# KiCad board video.kicad_pcb
title: KiCad demo; date: 2015-10-14; rev: 1.A
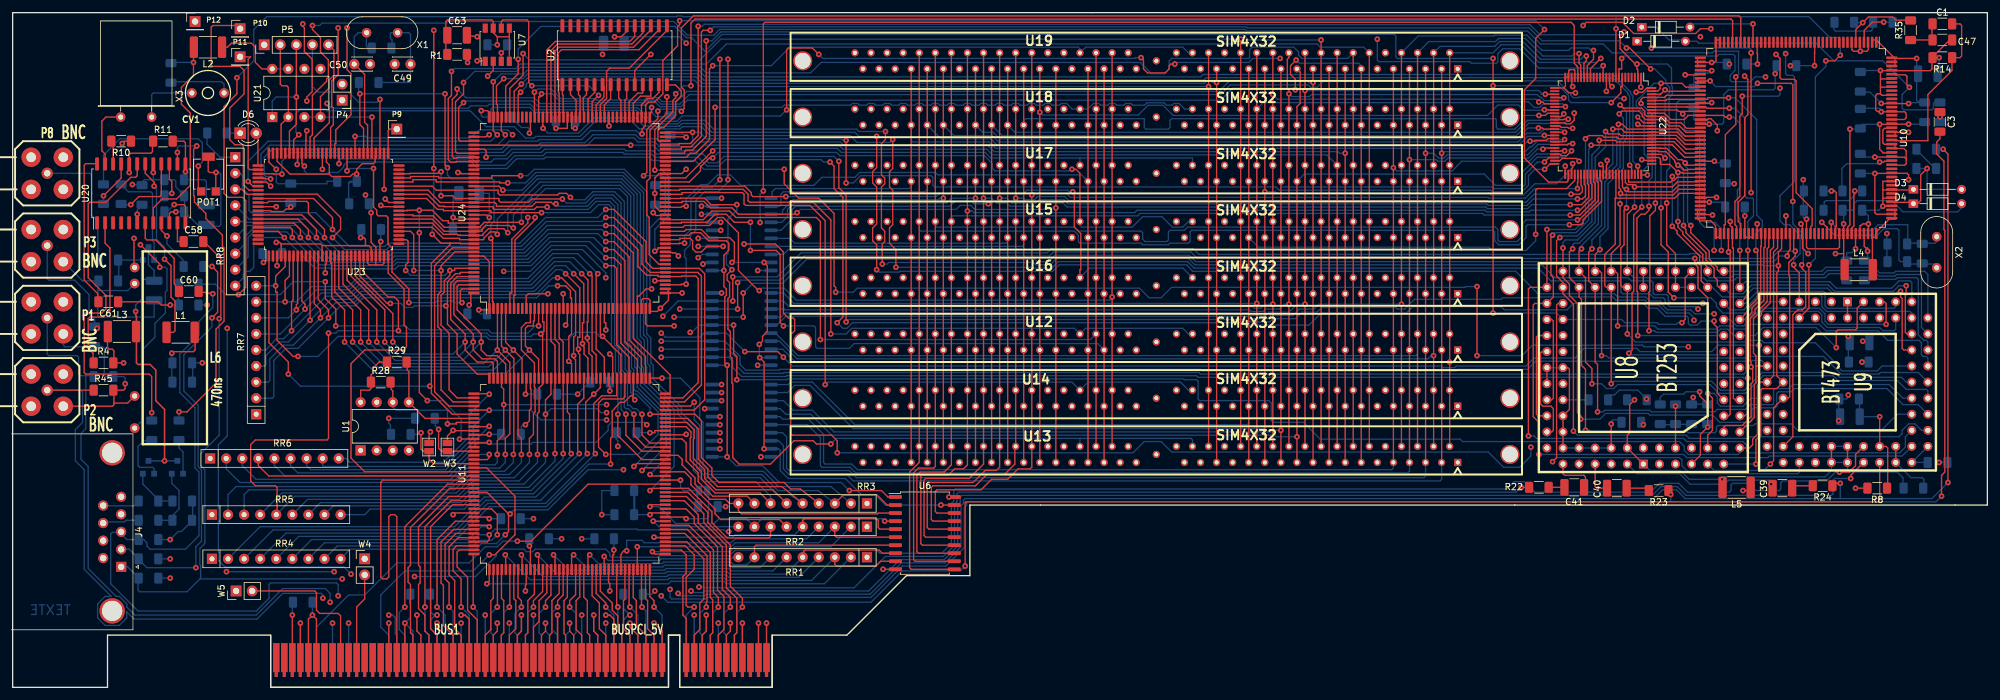
[diagram p0: board, top side]
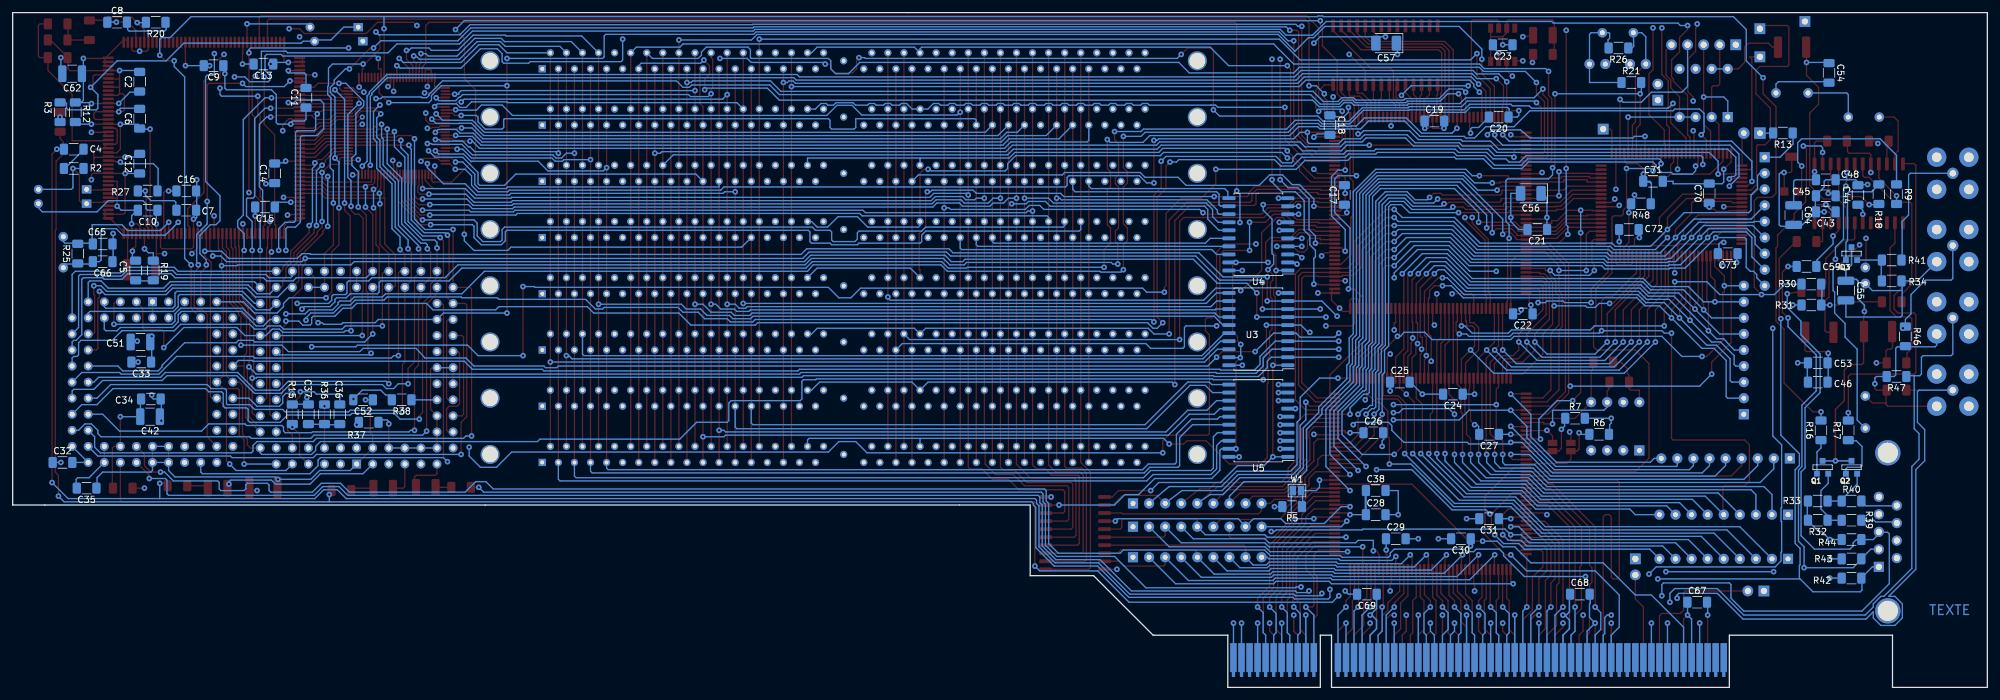
[diagram p1: board, bottom side, seen from below]

Outline 312.04 x 106.68 mm; copper layers: top_copper, GND_layer, VCC_layer, bottom_copper. Coordinates in mm from the lower left corner of the outline.
Outline path: 0,106.68 312.04,106.68 312.04,28.83 151.26,28.83 151.26,17.65 141.22,17.65 131.83,8.25 120.02,8.25 120.02,0 105.41,0 105.41,8.25 103.63,8.25 103.63,0 40.77,0 40.77,8.25 14.99,8.25 14.99,0 0,0 0,106.68
Stack: top_copper 0.035mm / dielectric 0.4801mm FR4 er 4.5 / GND_layer 0.035mm / dielectric 0.4801mm FR4 er 4.5 / VCC_layer 0.035mm / dielectric 0.4801mm FR4 er 4.5 / bottom_copper 0.035mm

## Placement (name value [footprint] x y rotation side)
BUS1  BUSPCI_5V  [BUSPCI]  104.52 4.44 0 top
C1  100nF  [R_1206_3216Metric_Pad1.30x1.75mm_HandSolder]  304.93 104.9 0 top
C2  100nF  [R_1206_3216Metric_Pad1.30x1.75mm_HandSolder]  291.97 95.76 90 bottom
C3  100nF  [R_1206_3216Metric_Pad1.30x1.75mm_HandSolder]  304.55 89.41 270 top
C4  100nF  [R_1206_3216Metric_Pad1.30x1.75mm_HandSolder]  302.39 85.09 0 bottom
C5  100nF  [R_1206_3216Metric_Pad1.30x1.75mm_HandSolder]  292.61 65.91 270 bottom
C6  100nF  [R_1206_3216Metric_Pad1.30x1.75mm_HandSolder]  291.97 89.92 90 bottom
C7  100nF  [R_1206_3216Metric_Pad1.30x1.75mm_HandSolder]  284.61 75.44 180 bottom
C8  100nF  [R_1206_3216Metric_Pad1.30x1.75mm_HandSolder]  295.53 105.16 180 bottom
C9  100nF  [R_1206_3216Metric_Pad1.30x1.75mm_HandSolder]  280.29 98.3 0 bottom
C10  100nF  [R_1206_3216Metric_Pad1.30x1.75mm_HandSolder]  290.7 75.44 0 bottom
C11  100nF  [R_1206_3216Metric_Pad1.30x1.75mm_HandSolder]  265.68 93.22 90 bottom
C12  100nF  [R_1206_3216Metric_Pad1.30x1.75mm_HandSolder]  291.97 82.8 90 bottom
C13  100nF  [R_1206_3216Metric_Pad1.30x1.75mm_HandSolder]  272.42 98.55 0 bottom
C14  100nF  [R_1206_3216Metric_Pad1.30x1.75mm_HandSolder]  270.64 81.28 90 bottom
C15  100nF  [R_1206_3216Metric_Pad1.30x1.75mm_HandSolder]  272.16 75.95 0 bottom
C16  100nF  [R_1206_3216Metric_Pad1.30x1.75mm_HandSolder]  284.61 78.49 180 bottom
C17  100nF  [R_1206_3216Metric_Pad1.30x1.75mm_HandSolder]  101.6 77.85 90 bottom
C18  100nF  [R_1206_3216Metric_Pad1.30x1.75mm_HandSolder]  103.89 88.9 270 bottom
C19  100nF  [R_1206_3216Metric_Pad1.30x1.75mm_HandSolder]  87.38 89.53 180 bottom
C20  100nF  [R_1206_3216Metric_Pad1.30x1.75mm_HandSolder]  77.22 90.17 0 bottom
C21  100nF  [R_1206_3216Metric_Pad1.30x1.75mm_HandSolder]  71.12 72.39 0 bottom
C22  100nF  [R_1206_3216Metric_Pad1.30x1.75mm_HandSolder]  73.41 59.05 0 bottom
C23  100nF  [R_1206_3216Metric_Pad1.30x1.75mm_HandSolder]  76.58 101.6 0 bottom
C24  100nF  [R_1206_3216Metric_Pad1.30x1.75mm_HandSolder]  84.46 46.35 0 bottom
C25  100nF  [R_1206_3216Metric_Pad1.30x1.75mm_HandSolder]  92.84 48.26 180 bottom
C26  100nF  [R_1206_3216Metric_Pad1.30x1.75mm_HandSolder]  97.03 40.26 180 bottom
C27  100nF  [R_1206_3216Metric_Pad1.30x1.75mm_HandSolder]  78.74 40 0 bottom
C28  100nF  [R_1206_3216Metric_Pad1.30x1.75mm_HandSolder]  96.65 27.31 180 bottom
C29  100nF  [R_1206_3216Metric_Pad1.30x1.75mm_HandSolder]  93.47 23.5 180 bottom
C30  100nF  [R_1206_3216Metric_Pad1.30x1.75mm_HandSolder]  83.19 23.5 0 bottom
C31  100nF  [R_1206_3216Metric_Pad1.30x1.75mm_HandSolder]  78.74 26.67 0 bottom
C32  100nF  [R_1206_3216Metric_Pad1.30x1.75mm_HandSolder]  304.17 35.56 180 bottom
C33  100nF  [R_1206_3216Metric_Pad1.30x1.75mm_HandSolder]  291.72 51.43 0 bottom
C34  100nF  [R_1206_3216Metric_Pad1.30x1.75mm_HandSolder]  290.19 45.59 0 bottom
C35  100nF  [R_1206_3216Metric_Pad1.30x1.75mm_HandSolder]  300.36 31.5 0 bottom
C36  100nF  [R_1206_3216Metric_Pad1.30x1.75mm_HandSolder]  260.35 43.18 270 bottom
C37  100pF  [R_1206_3216Metric_Pad1.30x1.75mm_HandSolder]  265.31 43.18 270 bottom
C38  4,7uF  [R_1206_3216Metric_Pad1.30x1.75mm_HandSolder]  96.65 31.11 180 bottom
C39  1uF  [R_1210_3225Metric_Pad1.30x2.65mm_HandSolder]  279.65 31.5 0 top
C40  1uF  [R_1210_3225Metric_Pad1.30x2.65mm_HandSolder]  253.49 31.5 0 top
C41  1uF  [R_1210_3225Metric_Pad1.30x2.65mm_HandSolder]  246.76 31.62 180 top
C42  2.2uF  [R_1210_3225Metric_Pad1.30x2.65mm_HandSolder]  290.32 42.8 0 bottom
C43  220nF  [R_1206_3216Metric_Pad1.30x1.75mm_HandSolder]  25.53 75.18 0 bottom
C44  220nF  [R_1206_3216Metric_Pad1.30x1.75mm_HandSolder]  20.45 77.85 90 bottom
C45  220nF  [R_1206_3216Metric_Pad1.30x1.75mm_HandSolder]  25.53 77.72 0 bottom
C46  220pF  [R_1206_3216Metric_Pad1.30x1.75mm_HandSolder]  26.8 48.26 0 bottom
C47  220pF  [R_1206_3216Metric_Pad1.30x1.75mm_HandSolder]  304.93 102.36 0 top
C48  22nF  [R_1206_3216Metric_Pad1.30x1.75mm_HandSolder]  25.53 80.26 0 bottom
C49  22pF  [C_Disc_D3.0mm_W2.0mm_P2.50mm]  62.87 98.55 180 top
C50  22pF  [C_Disc_D3.0mm_W2.0mm_P2.50mm]  53.98 98.55 0 top
C51  22uF  [R_1210_3225Metric_Pad1.30x2.65mm_HandSolder]  291.85 54.61 0 bottom
C52  22uF  [R_1206_3216Metric_Pad1.30x1.75mm_HandSolder]  256.67 45.47 0 bottom
C53  330pF  [R_1206_3216Metric_Pad1.30x1.75mm_HandSolder]  26.8 51.31 0 bottom
C54  4.7uF  [R_1206_3216Metric_Pad1.30x1.75mm_HandSolder]  25.02 97.15 270 bottom
C55  4.7uF  [R_1210_3225Metric_Pad1.30x2.65mm_HandSolder]  22.35 62.74 270 bottom
C56  4.7uF  [CP_EIA-3528-21_Kemet-B_Pad1.50x2.35mm_HandSolder]  72.14 78.1 0 bottom
C57  4.7uF  [CP_EIA-3528-21_Kemet-B_Pad1.50x2.35mm_HandSolder]  95 101.85 0 bottom
C58  47nF  [R_1206_3216Metric_Pad1.30x1.75mm_HandSolder]  28.57 70.48 0 top
C59  47nF  [R_1206_3216Metric_Pad1.30x1.75mm_HandSolder]  28.57 66.55 0 bottom
C60  47nF  [R_1206_3216Metric_Pad1.30x1.75mm_HandSolder]  27.84 62.59 0 top
C61  47nF  [R_1206_3216Metric_Pad1.30x1.75mm_HandSolder]  15.11 60.96 180 top
C62  47uF  [R_1210_3225Metric_Pad1.30x2.65mm_HandSolder]  302.64 97.03 0 bottom
C63  47uF  [R_1210_3225Metric_Pad1.30x2.65mm_HandSolder]  70.23 103.1 0 top
C64  6,8uF  [R_1210_3225Metric_Pad1.30x2.65mm_HandSolder]  30.61 74.68 270 bottom
C65  22pF  [R_1206_3216Metric_Pad1.30x1.75mm_HandSolder]  297.81 70.1 0 bottom
C66  22pF  [R_1206_3216Metric_Pad1.30x1.75mm_HandSolder]  297.81 67.31 0 bottom
C67  4,7uF  [R_1206_3216Metric_Pad1.30x1.75mm_HandSolder]  45.85 13.46 180 bottom
C68  4,7uF  [R_1206_3216Metric_Pad1.30x1.75mm_HandSolder]  64.39 14.73 180 bottom
C69  4,7uF  [R_1206_3216Metric_Pad1.30x1.75mm_HandSolder]  98.04 14.73 0 bottom
C70  100nF  [R_1206_3216Metric_Pad1.30x1.75mm_HandSolder]  43.94 78.1 90 bottom
C71  100nF  [R_1206_3216Metric_Pad1.30x1.75mm_HandSolder]  52.83 80.01 180 bottom
C72  100nF  [R_1206_3216Metric_Pad1.30x1.75mm_HandSolder]  56.64 72.39 180 bottom
C73  100nF  [R_1206_3216Metric_Pad1.30x1.75mm_HandSolder]  41.02 68.58 0 bottom
CV1  5/30pF  [CV3-30PF]  30.86 93.98 180 top
D1  BAT46  [D_DO-34_SOD68_P7.62mm_Horizontal]  256.71 102.16 0 top
D2  BAT46  [D_DO-34_SOD68_P7.62mm_Horizontal]  257.43 104.39 0 top
D3  BAT46  [D_DO-34_SOD68_P7.62mm_Horizontal]  300.36 78.74 0 top
D4  BAT46  [D_DO-34_SOD68_P7.62mm_Horizontal]  300.36 76.48 0 top
D6  LED  [LED_D3.0mm]  35.94 87.63 0 top
J4  DB9FEM  [DSUB-9_Female_Horizontal_P2.77x2.84mm_EdgePinOffset14.56mm_Housed_MountingHolesOffset15.98mm]  17.15 19.05 270 top
L1  2,2uH  [R_1812_4532Metric_Pad1.30x3.40mm_HandSolder]  26.54 56.13 0 top
L2  22uH  [R_1812_4532Metric_Pad1.30x3.40mm_HandSolder]  30.86 101.22 180 top
L3  22uH  [R_1812_4532Metric_Pad1.30x3.40mm_HandSolder]  17.27 56.26 0 top
L4  22uF  [R_1812_4532Metric_Pad1.30x3.40mm_HandSolder]  291.72 66.04 0 top
L5  22uH  [R_1812_4532Metric_Pad1.30x3.40mm_HandSolder]  272.42 31.62 180 top
L6  470ns  [LRTDK]  19.28 53.69 270 top
P1  BNC  [subclick]  5.46 58.42 180 top
P2  BNC  [subclick]  5.46 46.99 180 top
P3  BNC  [subclick]  5.46 69.85 180 top
P4  CONN_2  [PinHeader_1x02_P2.54mm_Vertical]  52.07 92.84 180 top
P5  CONN_5  [PinHeader_1x05_P2.54mm_Vertical]  39.75 101.6 90 top
P8  BNC  [subclick]  5.46 81.28 180 top
P9  CONN_1  [PinHeader_1x01_P2.54mm_Vertical]  60.71 88.26 0 top
P10  CONN_1  [PinHeader_1x01_P2.54mm_Vertical]  35.94 104.14 0 top
P11  CONN_1  [PinHeader_1x01_P2.54mm_Vertical]  35.94 99.69 0 top
P12  CONN_1  [PinHeader_1x01_P2.54mm_Vertical]  28.83 105.28 0 top
POT1  100K  [Potentiometer_Bourns_3314G_Vertical]  30.95 81.15 180 top
Q1  BC848  [SOT23EBC]  26.04 34.8 0 bottom
Q2  BC848  [SOT23EBC]  21.46 34.8 0 bottom
Q3  BC848  [SOT23EBC]  21.46 68.58 0 bottom
R1  10  [R_1206_3216Metric_Pad1.30x1.75mm_HandSolder]  70.23 100.08 0 top
R2  100  [R_1206_3216Metric_Pad1.30x1.75mm_HandSolder]  302.39 82.04 0 bottom
R3  100  [R_1206_3216Metric_Pad1.30x1.75mm_HandSolder]  304.55 90.93 270 bottom
R4  10K  [R_1206_3216Metric_Pad1.30x1.75mm_HandSolder]  14.35 51.31 0 top
R5  10K  [R_1206_3216Metric_Pad1.30x1.75mm_HandSolder]  109.86 28.57 0 bottom
R6  10K  [R_1206_3216Metric_Pad1.30x1.75mm_HandSolder]  61.34 40 180 bottom
R7  10K  [R_1206_3216Metric_Pad1.30x1.75mm_HandSolder]  65.15 42.54 180 bottom
R8  150  [R_1206_3216Metric_Pad1.30x1.75mm_HandSolder]  294.64 31.5 180 top
R9  150K  [R_1206_3216Metric_Pad1.30x1.75mm_HandSolder]  14.35 77.98 270 bottom
R10  1K  [R_1206_3216Metric_Pad1.30x1.75mm_HandSolder]  17.15 86.36 180 top
R11  1K  [R_1206_3216Metric_Pad1.30x1.75mm_HandSolder]  23.75 86.36 0 top
R12  1K  [R_1206_3216Metric_Pad1.30x1.75mm_HandSolder]  302.13 90.93 90 bottom
R13  1K  [R_1206_3216Metric_Pad1.30x1.75mm_HandSolder]  32.3 87.65 0 bottom
R14  1M  [R_1206_3216Metric_Pad1.30x1.75mm_HandSolder]  304.93 99.57 180 top
R15  1M  [R_1206_3216Metric_Pad1.30x1.75mm_HandSolder]  267.84 43.18 270 bottom
R16  220  [R_1206_3216Metric_Pad1.30x1.75mm_HandSolder]  26.29 40.64 90 bottom
R17  220  [R_1206_3216Metric_Pad1.30x1.75mm_HandSolder]  21.97 40.64 90 bottom
R18  220  [R_1206_3216Metric_Pad1.30x1.75mm_HandSolder]  17.15 77.98 270 bottom
R19  220  [R_1206_3216Metric_Pad1.30x1.75mm_HandSolder]  289.81 65.91 90 bottom
R20  220  [R_1206_3216Metric_Pad1.30x1.75mm_HandSolder]  289.43 105.16 0 bottom
R21  220  [R_1206_3216Metric_Pad1.30x1.75mm_HandSolder]  56.26 95.63 180 bottom
R22  220  [R_1206_3216Metric_Pad1.30x1.75mm_HandSolder]  241.17 31.62 0 top
R23  220  [R_1206_3216Metric_Pad1.30x1.75mm_HandSolder]  260.1 31.11 180 top
R24  220  [R_1206_3216Metric_Pad1.30x1.75mm_HandSolder]  286 31.88 180 top
R25  220K  [R_1206_3216Metric_Pad1.30x1.75mm_HandSolder]  301.75 68.58 90 bottom
R26  220K  [R_1206_3216Metric_Pad1.30x1.75mm_HandSolder]  58.29 101.09 0 bottom
R27  27K  [R_1206_3216Metric_Pad1.30x1.75mm_HandSolder]  290.7 78.49 0 bottom
R28  2,2K  [R_1206_3216Metric_Pad1.30x1.75mm_HandSolder]  58.17 48.26 0 top
R29  2,2K  [R_1206_3216Metric_Pad1.30x1.75mm_HandSolder]  60.71 51.43 0 top
R30  3,3K  [R_1206_3216Metric_Pad1.30x1.75mm_HandSolder]  27.81 63.75 0 bottom
R31  470  [R_1206_3216Metric_Pad1.30x1.75mm_HandSolder]  27.81 60.45 180 bottom
R32  470  [R_1206_3216Metric_Pad1.30x1.75mm_HandSolder]  26.8 26.42 0 bottom
R33  470  [R_1206_3216Metric_Pad1.30x1.75mm_HandSolder]  26.8 29.46 0 bottom
R34  470  [R_1206_3216Metric_Pad1.30x1.75mm_HandSolder]  15.11 64.26 180 bottom
R35  470  [R_1206_3216Metric_Pad1.30x1.75mm_HandSolder]  299.91 103.9 90 top
R36  470  [R_1206_3216Metric_Pad1.30x1.75mm_HandSolder]  262.76 43.18 90 bottom
R37  510  [R_1206_3216Metric_Pad1.30x1.75mm_HandSolder]  255.78 41.91 180 bottom
R38  510  [R_1206_3216Metric_Pad1.30x1.75mm_HandSolder]  250.57 45.47 0 bottom
R39  68  [R_1206_3216Metric_Pad1.30x1.75mm_HandSolder]  21.46 26.42 0 bottom
R40  68  [R_1206_3216Metric_Pad1.30x1.75mm_HandSolder]  21.46 29.46 180 bottom
R41  68  [R_1206_3216Metric_Pad1.30x1.75mm_HandSolder]  15.11 67.56 0 bottom
R42  75  [R_1206_3216Metric_Pad1.30x1.75mm_HandSolder]  21.46 17.27 180 bottom
R43  75  [R_1206_3216Metric_Pad1.30x1.75mm_HandSolder]  21.46 20.32 180 bottom
R44  75  [R_1206_3216Metric_Pad1.30x1.75mm_HandSolder]  21.46 23.37 180 bottom
R45  75  [R_1206_3216Metric_Pad1.30x1.75mm_HandSolder]  14.35 46.99 0 top
R46  75  [R_1206_3216Metric_Pad1.30x1.75mm_HandSolder]  12.95 55.5 270 bottom
R47  75  [R_1206_3216Metric_Pad1.30x1.75mm_HandSolder]  14.35 49.15 0 bottom
R48  10K  [R_1206_3216Metric_Pad1.30x1.75mm_HandSolder]  54.74 76.45 0 bottom
RR1  8x10K  [R_Array_SIP9]  135 20.57 180 top
RR2  8x10K  [R_Array_SIP9]  135 25.4 180 top
RR3  8x10K  [R_Array_SIP9]  135 29.08 180 top
RR4  8x10K  [R_Array_SIP9]  31.5 20.32 0 top
RR5  8x10K  [R_Array_SIP9]  31.5 27.31 0 top
RR6  8x10K  [R_Array_SIP9]  31.21 36.19 0 top
RR7  8x10K  [R_Array_SIP9]  38.48 43.18 90 top
RR8  8x10K  [R_Array_SIP9]  35.18 83.82 270 top
U1  24C16  [DIP-8_W7.62mm]  54.99 37.46 90 top
U2  4C4001  [SOIC-28W_7.5x17.9mm_P1.27mm]  95.12 99.95 90 top
U3  74LS245  [SOIC-20W_7.5x12.8mm_P1.27mm]  115.19 56.64 0 bottom
U4  74LS245  [SOIC-20W_7.5x12.8mm_P1.27mm]  115.19 71.63 0 bottom
U5  74LS245  [SOIC-20W_7.5x12.8mm_P1.27mm]  115.19 42.16 0 bottom
U6  74LS245  [SOIC-20W_7.5x12.8mm_P1.27mm]  144.15 24.38 0 top
U7  AV9173  [SSOP-8_3.95x5.21x3.27mm_P1.27mm]  76.58 101.6 90 top
U8  BT253  [PLCC84]  257.68 50.55 90 top
U9  BT473  [PLCC68]  289.94 48.26 270 top
U10  BT812  [PQFP-160_28x28mm_P0.65mm]  281.81 86.87 270 top
U11  S5933_PQ160  [PQFP-160_28x28mm_P0.65mm]  88.01 33.75 90 top
U12  SIM4X32  [sim72]  180.72 54.61 0 top
U13  SIM4X32  [sim72]  180.72 36.83 0 top
U14  SIM4X32  [sim72]  180.72 45.72 0 top
U15  SIM4X32  [sim72]  180.72 72.39 0 top
U16  SIM4X32  [sim72]  180.72 63.5 0 top
U17  SIM4X32  [sim72]  180.72 81.28 0 top
U18  SIM4X32  [sim72]  180.72 90.17 0 top
U19  SIM4X32  [sim72]  180.72 99.06 0 top
U20  TDA8501  [SOIC-24W_7.5x15.4mm_P1.27mm]  20.32 78.1 90 top
U21  XC1736APD8  [DIP-8_W7.62mm]  41.02 90.17 90 top
U22  XC4003-VQ100  [TQFP-100_14x14mm_P0.5mm]  251.33 88.77 270 top
U23  XC4003/PQ100  [PQFP-100_14x20mm_P0.65mm]  49.91 76.33 90 top
U24  XC4005-PQ160  [PQFP-160_28x28mm_P0.65mm]  88.01 75.03 90 top
W1  16/32  [SolderJumper-2_P1.3mm_Open_Pad1.0x1.5mm]  109.09 31.11 180 bottom
W2  FLOAT#  [SolderJumper-2_P1.3mm_Open_Pad1.0x1.5mm]  65.81 37.99 270 top
W3  SERNV  [SolderJumper-2_P1.3mm_Open_Pad1.0x1.5mm]  68.71 37.99 270 top
W4  TEST  [PinHeader_1x02_P2.54mm_Vertical]  55.63 20.32 0 top
W5  TEST  [PinHeader_1x02_P2.54mm_Vertical]  35.31 15.24 90 top
X1  10MHz  [Crystal_HC18-U_Vertical]  60.83 103.5 180 top
X2  30MHz  [Crystal_HC18-U_Vertical]  304.04 71.25 270 top
X3  4.433618MHz  [Crystal_HC18-U_Horizontal]  21.97 90.17 180 top

## Library data of the parts
C1-C37 C39-C41 C43-C50 C53 C58-C61 C65 C66 C70-C73 = -: ki_fp_filters: SM* C? C1-1
C38 C42 C51 C52 C54-C57 C62-C64 C67-C69 = -: ki_fp_filters: CP* SM*
D1-D4 = -: ki_fp_filters: D? S*
D6 = -: ki_fp_filters: LED-3MM LED-5MM LED-10MM LED-0603 LED-0805 LED-1206 LEDV
J4 = -: ki_fp_filters: DB9*
R1-R48 = -: ki_fp_filters: R? SM0603 SM0805 R?-* SM1206

## Footprints (pads in the part's own frame, mm; a bottom-side part is the same pattern mirrored in y, then rotated)
BUSPCI
  rect 1.016x4.572 smd far side: A1(-62.865,0.254) A2(-61.595,0.254) A3(-60.325,0.254) A4(-59.055,0.254) A5(-57.785,0.254) A6(-56.515,0.254) A7(-55.245,0.254) A8(-53.975,0.254) A9(-52.705,0.254) A10(-51.435,0.254) A11(-50.165,0.254) A12(-48.895,0.254) A13(-47.625,0.254) A14(-46.355,0.254) A15(-45.085,0.254) A16(-43.815,0.254) A17(-42.545,0.254) A18(-41.275,0.254) A19(-40.005,0.254) A20(-38.735,0.254) A21(-37.465,0.254) A22(-36.195,0.254) A23(-34.925,0.254) A24(-33.655,0.254) A25(-32.385,0.254) A26(-31.115,0.254) A27(-29.845,0.254) A28(-28.575,0.254) A29(-27.305,0.254) A30(-26.035,0.254) A31(-24.765,0.254) A32(-23.495,0.254) A33(-22.225,0.254) A34(-20.955,0.254) A35(-19.685,0.254) A36(-18.415,0.254) A37(-17.145,0.254) A38(-15.875,0.254) A39(-14.605,0.254) A40(-13.335,0.254) A41(-12.065,0.254) A42(-10.795,0.254) A43(-9.525,0.254) A44(-8.255,0.254) A45(-6.985,0.254) A46(-5.715,0.254) A47(-4.445,0.254) A48(-3.175,0.254) A49(-1.905,0.254) A52(1.905,0.254) A53(3.175,0.254) A54(4.445,0.254) A55(5.715,0.254) A56(6.985,0.254) A57(8.255,0.254) A58(9.525,0.254) A59(10.795,0.254) A60(12.065,0.254) A61(13.335,0.254) A62(14.605,0.254)
  rect 0.508x0.762 smd far side: A1(-62.865,-2.413) A2(-61.595,-2.413) A3(-60.325,-2.413) A4(-59.055,-2.413) A5(-57.785,-2.413) A6(-56.515,-2.413) A7(-55.245,-2.413) A8(-53.975,-2.413) A9(-52.705,-2.413) A10(-51.435,-2.413) A11(-50.165,-2.413) A12(-48.895,-2.413) A13(-47.625,-2.413) A14(-46.355,-2.413) A15(-45.085,-2.413) A16(-43.815,-2.413) A17(-42.545,-2.413) A18(-41.275,-2.413) A19(-40.005,-2.413) A20(-38.735,-2.413) A21(-37.465,-2.413) A22(-36.195,-2.413) A23(-34.925,-2.413) A24(-33.655,-2.413) A25(-32.385,-2.413) A26(-31.115,-2.413) A27(-29.845,-2.413) A28(-28.575,-2.413) A29(-27.305,-2.413) A30(-26.035,-2.413) A31(-24.765,-2.413) A32(-23.495,-2.413) A33(-22.225,-2.413) A34(-20.955,-2.413) A35(-19.685,-2.413) A36(-18.415,-2.413) A37(-17.145,-2.413) A38(-15.875,-2.413) A39(-14.605,-2.413) A40(-13.335,-2.413) A41(-12.065,-2.413) A42(-10.795,-2.413) A43(-9.525,-2.413) A44(-8.255,-2.413) A45(-6.985,-2.413) A46(-5.715,-2.413) A47(-4.445,-2.413) A48(-3.175,-2.413) A49(-1.905,-2.413) A52(1.905,-2.413) A53(3.175,-2.413) A54(4.445,-2.413) A55(5.715,-2.413) A56(6.985,-2.413) A57(8.255,-2.413) A58(9.525,-2.413) A59(10.795,-2.413) A60(12.065,-2.413) A61(13.335,-2.413) A62(14.605,-2.413)
  rect 1.016x4.572 smd: B1(-62.865,0.254) B2(-61.595,0.254) B3(-60.325,0.254) B4(-59.055,0.254) B5(-57.785,0.254) B6(-56.515,0.254) B7(-55.245,0.254) B8(-53.975,0.254) B9(-52.705,0.254) B10(-51.435,0.254) B11(-50.165,0.254) B12(-48.895,0.254) B13(-47.625,0.254) B14(-46.355,0.254) B15(-45.085,0.254) B16(-43.815,0.254) B17(-42.545,0.254) B18(-41.275,0.254) B19(-40.005,0.254) B20(-38.735,0.254) B21(-37.465,0.254) B22(-36.195,0.254) B23(-34.925,0.254) B24(-33.655,0.254) B25(-32.385,0.254) B26(-31.115,0.254) B27(-29.845,0.254) B28(-28.575,0.254) B29(-27.305,0.254) B30(-26.035,0.254) B31(-24.765,0.254) B32(-23.495,0.254) B33(-22.225,0.254) B34(-20.955,0.254) B35(-19.685,0.254) B36(-18.415,0.254) B37(-17.145,0.254) B38(-15.875,0.254) B39(-14.605,0.254) B40(-13.335,0.254) B41(-12.065,0.254) B42(-10.795,0.254) B43(-9.525,0.254) B44(-8.255,0.254) B45(-6.985,0.254) B46(-5.715,0.254) B47(-4.445,0.254) B48(-3.175,0.254) B49(-1.905,0.254) B52(1.905,0.254) B53(3.175,0.254) B54(4.445,0.254) B55(5.715,0.254) B56(6.985,0.254) B57(8.255,0.254) B58(9.525,0.254) B59(10.795,0.254) B60(12.065,0.254) B61(13.335,0.254) B62(14.605,0.254)
  rect 0.508x0.762 smd: B1(-62.865,-2.413) B2(-61.595,-2.413) B3(-60.325,-2.413) B4(-59.055,-2.413) B5(-57.785,-2.413) B6(-56.515,-2.413) B7(-55.245,-2.413) B8(-53.975,-2.413) B9(-52.705,-2.413) B10(-51.435,-2.413) B11(-50.165,-2.413) B12(-48.895,-2.413) B13(-47.625,-2.413) B14(-46.355,-2.413) B15(-45.085,-2.413) B16(-43.815,-2.413) B17(-42.545,-2.413) B18(-41.275,-2.413) B19(-40.005,-2.413) B20(-38.735,-2.413) B21(-37.465,-2.413) B22(-36.195,-2.413) B23(-34.925,-2.413) B24(-33.655,-2.413) B25(-32.385,-2.413) B26(-31.115,-2.413) B27(-29.845,-2.413) B28(-28.575,-2.413) B29(-27.305,-2.413) B30(-26.035,-2.413) B31(-24.765,-2.413) B32(-23.495,-2.413) B33(-22.225,-2.413) B34(-20.955,-2.413) B35(-19.685,-2.413) B36(-18.415,-2.413) B37(-17.145,-2.413) B38(-15.875,-2.413) B39(-14.605,-2.413) B40(-13.335,-2.413) B41(-12.065,-2.413) B42(-10.795,-2.413) B43(-9.525,-2.413) B44(-8.255,-2.413) B45(-6.985,-2.413) B46(-5.715,-2.413) B47(-4.445,-2.413) B48(-3.175,-2.413) B49(-1.905,-2.413) B52(1.905,-2.413) B53(3.175,-2.413) B54(4.445,-2.413) B55(5.715,-2.413) B56(6.985,-2.413) B57(8.255,-2.413) B58(9.525,-2.413) B59(10.795,-2.413) B60(12.065,-2.413) B61(13.335,-2.413) B62(14.605,-2.413)
C_Disc_D3.0mm_W2.0mm_P2.50mm
  round 1.6 hole 0.8: 1(0,0) 2(2.5,0)
CP_EIA-3528-21_Kemet-B_Pad1.50x2.35mm_HandSolder
  rrect 1.5x2.35 smd: 1(-1.625,0) 2(1.625,0)
Crystal_HC18-U_Horizontal
  round 1.5 hole 0.8: 1(0,0) 2(4.9,0)
Crystal_HC18-U_Vertical
  round 1.5 hole 0.8: 1(0,0) 2(4.9,0)
CV3-30PF
  round 1.524 hole 0.813: 1(2.54,0) 2(-2.54,0)
D_DO-34_SOD68_P7.62mm_Horizontal
  rect 1.5x1.3 hole 0.75: 1(0,0)
  round 1.4 hole 0.75: 2(7.62,0)
DIP-8_W7.62mm
  rect 1.6x1.6 hole 0.8: 1(0,0)
  oval 1.6x1.6 hole 0.8: 2(0,-2.54) 3(0,-5.08) 4(0,-7.62) 5(7.62,-7.62) 6(7.62,-5.08) 7(7.62,-2.54) 8(7.62,0)
DSUB-9_Female_Horizontal_P2.77x2.84mm_EdgePinOffset14.56mm_Housed_MountingHolesOffset15.98mm
  round 4 hole 3.2: 0(-18.04,-1.42) 0(6.96,-1.42)
  rect 1.6x1.6 hole 1: 1(0,0)
  round 1.6 hole 1: 2(-2.77,0) 3(-5.54,0) 4(-8.31,0) 5(-11.08,0) 6(-1.385,-2.84) 7(-4.155,-2.84) 8(-6.925,-2.84) 9(-9.695,-2.84)
LED_D3.0mm
  rect 1.8x1.8 hole 0.9: 1(0,0)
  round 1.8 hole 0.9: 2(2.54,0)
LRTDK
  round 1.524 hole 0.813: 1(-12.7,0) 2(12.7,0) 3(-10.16,0) 3(7.62,0)
PinHeader_1x01_P2.54mm_Vertical
  rect 1.7x1.7 hole 1: 1(0,0)
PinHeader_1x02_P2.54mm_Vertical
  rect 1.7x1.7 hole 1: 1(0,0)
  oval 1.7x1.7 hole 1: 2(0,-2.54)
PinHeader_1x05_P2.54mm_Vertical
  rect 1.7x1.7 hole 1: 1(0,0)
  oval 1.7x1.7 hole 1: 2(0,-2.54) 3(0,-5.08) 4(0,-7.62) 5(0,-10.16)
PLCC68
  rect 1.397x1.397 hole 0.813: 1(-12.7,0)
  round 1.397 hole 0.813: 2(-10.16,0) 3(-12.7,-2.54) 4(-10.16,-2.54) 5(-12.7,-5.08) 6(-10.16,-5.08) 7(-12.7,-7.62) 8(-10.16,-7.62) 9(-12.7,-10.16) 10(-10.16,-12.7) 11(-10.16,-10.16) 12(-7.62,-12.7) 13(-7.62,-10.16) 14(-5.08,-12.7) 15(-5.08,-10.16) 16(-2.54,-12.7) 17(-2.54,-10.16) 18(0,-12.7) 19(0,-10.16) 20(2.54,-12.7) 21(2.54,-10.16) 22(5.08,-12.7) 23(5.08,-10.16) 24(7.62,-12.7) 25(7.62,-10.16) 26(10.16,-12.7) 27(12.7,-10.16) 28(10.16,-10.16) 29(12.7,-7.62) 30(10.16,-7.62) 31(12.7,-5.08) 32(10.16,-5.08) 33(12.7,-2.54) 34(10.16,-2.54) 35(12.7,0) 36(10.16,0) 37(12.7,2.54) 38(10.16,2.54) 39(12.7,5.08) 40(10.16,5.08) 41(12.7,7.62) 42(10.16,7.62) 43(12.7,10.16) 44(10.16,12.7) 45(10.16,10.16) 46(7.62,12.7) 47(7.62,10.16) 48(5.08,12.7) 49(5.08,10.16) 50(2.54,12.7) 51(2.54,10.16) 52(0,12.7) 53(0,10.16) 54(-2.54,12.7) 55(-2.54,10.16) 56(-5.08,12.7) 57(-5.08,10.16) 58(-7.62,12.7) 59(-7.62,10.16) 60(-10.16,12.7) 61(-12.7,10.16) 62(-10.16,10.16) 63(-12.7,7.62) 64(-10.16,7.62) 65(-12.7,5.08) 66(-10.16,5.08) 67(-12.7,2.54) 68(-10.16,2.54)
PLCC84
  rect 1.397x1.397 hole 0.813: 1(-15.24,0)
  round 1.397 hole 0.813: 2(-12.7,0) 3(-15.24,-2.54) 4(-12.7,-2.54) 5(-15.24,-5.08) 6(-12.7,-5.08) 7(-15.24,-7.62) 8(-12.7,-7.62) 9(-15.24,-10.16) 10(-12.7,-10.16) 11(-15.24,-12.7) 12(-12.7,-15.24) 13(-12.7,-12.7) 14(-10.16,-15.24) 15(-10.16,-12.7) 16(-7.62,-15.24) 17(-7.62,-12.7) 18(-5.08,-15.24) 19(-5.08,-12.7) 20(-2.54,-15.24) 21(-2.54,-12.7) 22(0,-15.24) 23(0,-12.7) 24(2.54,-15.24) 25(2.54,-12.7) 26(5.08,-15.24) 27(5.08,-12.7) 28(7.62,-15.24) 29(7.62,-12.7) 30(10.16,-15.24) 31(10.16,-12.7) 32(12.7,-15.24) 33(15.24,-12.7) 34(12.7,-12.7) 35(15.24,-10.16) 36(12.7,-10.16) 37(15.24,-7.62) 38(12.7,-7.62) 39(15.24,-5.08) 40(12.7,-5.08) 41(15.24,-2.54) 42(12.7,-2.54) 43(15.24,0) 44(12.7,0) 45(15.24,2.54) 46(12.7,2.54) 47(15.24,5.08) 48(12.7,5.08) 49(15.24,7.62) 50(12.7,7.62) 51(15.24,10.16) 52(12.7,10.16) 53(15.24,12.7) 54(12.7,15.24) 55(12.7,12.7) 56(10.16,15.24) 57(10.16,12.7) 58(7.62,15.24) 59(7.62,12.7) 60(5.08,15.24) 61(5.08,12.7) 62(2.54,15.24) 63(2.54,12.7) 64(0,15.24) 65(0,12.7) 66(-2.54,15.24) 67(-2.54,12.7) 68(-5.08,15.24) 69(-5.08,12.7) 70(-7.62,15.24) 71(-7.62,12.7) 72(-10.16,15.24) 73(-10.16,12.7) 74(-12.7,15.24) 75(-15.24,12.7) 76(-12.7,12.7) 77(-15.24,10.16) 78(-12.7,10.16) 79(-15.24,7.62) 80(-12.7,7.62) 81(-15.24,5.08) 82(-12.7,5.08) 83(-15.24,2.54) 84(-12.7,2.54)